# KiCad board master-circuit.kicad_pcb (continued)
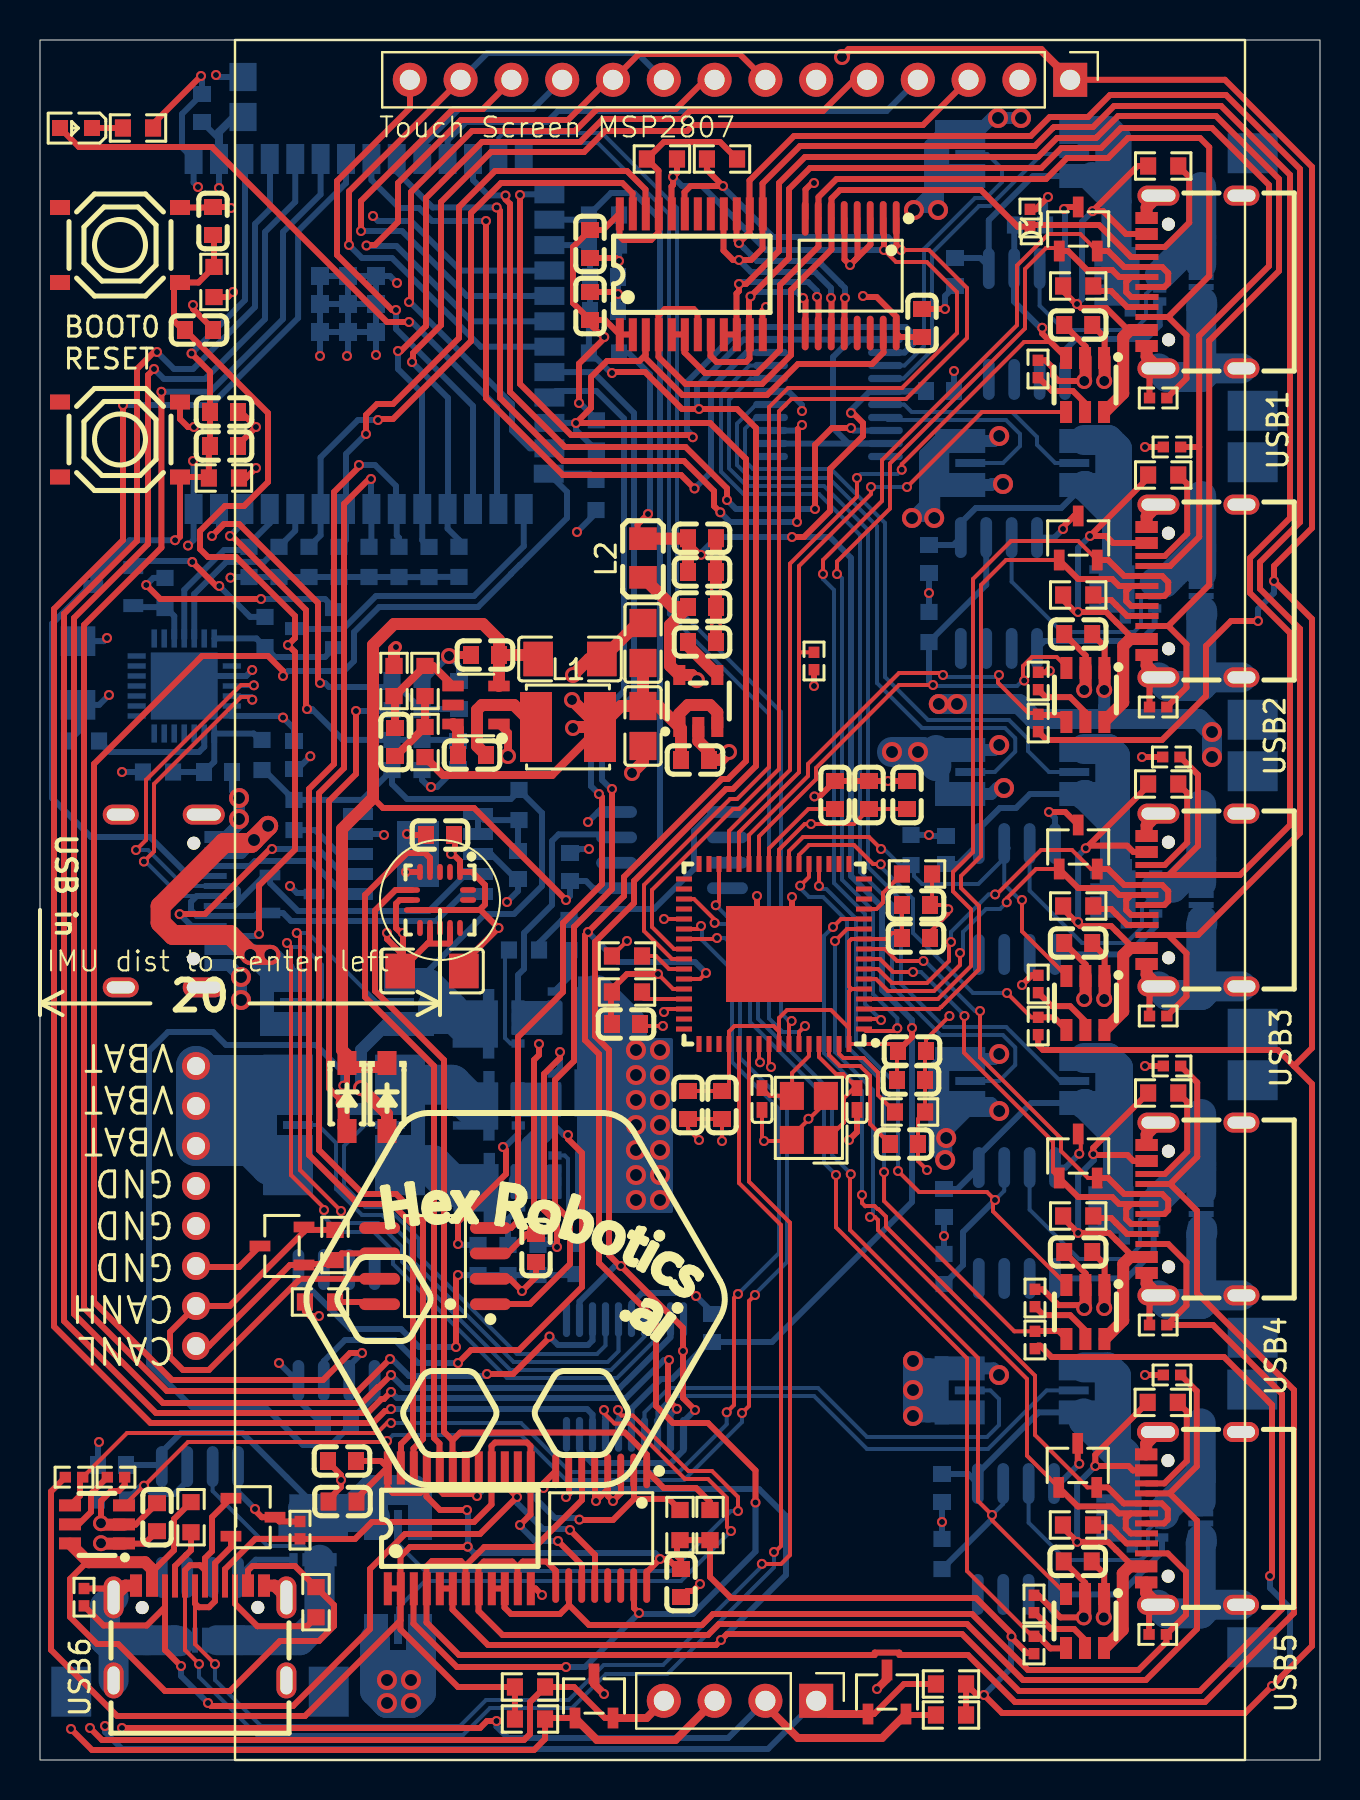
[diagram p0: board, top side]
## Nets (continued)
USBDN3_D-: D5.1 U24.6 USB3.A7 USB3.B7
USBDN4_D+: D9.2 U24.9 USB4.A6 USB4.B6
USBDN4_D-: D9.1 U24.8 USB4.A7 USB4.B7
USBDN5_D+: D10.2 U24.12 USB5.A6 USB5.B6
USBDN5_D-: D10.1 U24.11 USB5.A7 USB5.B7
USBDN6_D+: D11.2 U24.54 USB6.A6 USB6.B6
USBDN6_D-: D11.1 U24.53 USB6.A7 USB6.B7
VANY: C21.2 C22.2 C55.2 C56.2 D12.1 D14.1 U4.3 U46.1 U47.1
Net-(LED1-K): LED1.1 R23.1
Net-(Q8-G): Q8.4 U41.5
Net-(Q12-G): Q12.4 U43.5
Net-(Q23-G): Q23.4 U44.5
Net-(Q24-G): Q24.4 U45.5
Net-(Q25-G): Q25.4 U48.5
Net-(Q26-G): Q26.4 U49.5
Net-(U10-RSTb): R39.2 U10.9
Net-(U10-VBUS): C18.1 R40.2 R41.1 U10.8
Net-(U24-SUSP_IND/LOCAL_PWR/NON_REM0): R51.1 U24.45
Net-(U24-VDD18): C63.2 U24.25
Net-(U46-Gate): R77.1 R81.1 U46.5
Net-(U47-Gate): R90.1 R92.1 R93.1 R94.1 U47.5

Pads without a net: FPC1 21 22; FPC2 21 22; FPC3 21 22; FPC4 21 22; FPC5 21 22; FPC6 21 22; SW1 2 4; SW2 2 4; U4 5; U9 17 18; U10 1 2 10 11 12 13 14 15 16 17 18 19 20 21 22 23 27; U11 10 11; U13 17 18; U14 13 14; U15 13 14; U16 10 11; U17 5; U18 2 3 9 11 13 15 16; U24 14 15 16 17 18 19 31 32 33 34 36 47 48 49 50 51; U41 6 7 8; U42 10; U43 6 7 8; U44 6 7 8; U45 6 7 8; U46 6 7 8; U47 6 7 8; U48 6 7 8; U49 6 7 8; USB0 1 2 3 4

## Via types
v1: diameter 0.5, hole 0.3, Top to Bottom, 297 vias
v2: diameter 0.8, hole 0.5, Top to Bottom, 23 vias
v3: diameter 1, hole 0.6, Top to Bottom, 50 vias

## Routing (per net, layer and track width the routed paths; a pad name or vN(x,y) marks a point on that pad's centre or on a via; arc(x,y) is an arc through that point)
3V3: length 394
  Top w0.2: v1(31.2,42.05) U24.37 ; C60.2 C59.2 40.7,46.8 v1(38.55,46.8) 38.23,46.8 36.95,45.52 U24.24 ; U24.46 31.35,37.55 v1(31.2,37.4) ; v1(30.9,39.3) 31.65,38.55 U24.44
  Top w0.3: C31.2 20.75,46.2 20.75,45.5 v1(20.55,45.3) 20.65,45.3 21,44.95 U18.1 21.6,44.4 22.25,43.75 22.25,42.77 21.98,42.5 U18.14 ; U18.14 22.03,42.5 v1(22.93,41.6) 21.19,39.87 C32.2 ; U18.14 U18.8 ; R15.2 R14.2 20.9,3.65 18.03,6.53 18.03,8.58 ; U35.1 59.25,84.01 63.6,79.66 63.6,61.6 61.7,59.7 v1(61.7,58.95) 63.6,57.05 63.6,35.6 62.7,34.7 ; R42.1 9.4,73.15 v1(9.65,73.4) ; R91.1 0.55,13.42 0.55,5.51 3.86,2.2 13.25,2.2 18.03,6.97 18.03,8.58 ; 17.38,8.58 18.03,8.58 ; 18.03,8.58 18.03,10.18 18.5,10.65 21.37,10.65 v1(21.38,10.67) ; 17.38,14.62 15.83,13.07 C85.2 ; 17.38,14.62 17.05,14.95 C43.2 ; 17.38,14.62 17.38,13.62 17.65,13.35 19,13.35 19.33,13.68 19.33,14.62 19.33,13.18 20,12.5 v1(21.35,12.5) ; C84.2 28.25,72 28.97,71.28 29.62,71.28 ; C84.2 27.5,71.8 28.15,71.15 v1(28.21,71.15) 28.21,71.08 26.95,69.82 v1(26.95,67.85) ; C84.2 26.65,72.85 26.65,75.65 C42.2 28.15,76.5 28.97,77.32 28.97,76.2 29.17,76 30.55,76 30.93,76.38 30.93,79.47 R58.2 31.19,80.9 34,80.9 R53.2 ; v1(41.15,73.2) 41.2,73.15 41.83,73.15 42.82,72.16 42.82,71.33 43.01,71.15 C45.2 ; v1(60.9,56.95) 59.55,56.95 58.3,55.7 58.3,53.2 56.1,51 50.33,51 R80.1 ; v1(30.9,39.3) 29.35,39.3 28.55,38.5 28.55,38.45 R51.2 28.55,38.35 28.55,36.85 C68.2 ; R82.1 49.91,35.74 50.15,35.5 61.9,35.5 62.7,34.7 ; R84.1 49.67,5.35 49.35,5.35 48.57,6.13 v1(48.57,6.17) 48.57,6.33 46.8,8.1 34.55,8.1 33.5,9.15 R60.2 R64.2 31.85,10.84 31.85,10.2 32.05,10 C44.2 31.9,9.55 31.4,10.05 v1(31,10.05) 30.35,9.4 30.35,8.71 ; v1(10.8,64.6) 10.3,64.1 R37.2 ; v1(24.95,35.8) 24.95,35.25 24.7,35 24.7,26.4 C30.2 24.35,26.3 23.38,25.33 U17.3 ; R79.1 v1(38.7,53.7) ; 62.7,34.7 63.6,33.8 63.6,5.7 v1(61.6,3.7) 60.25,2.35 48.1,2.35 v1(47.2,3.25) 46.85,3.25 R9.2 R34.2 ; R83.1 49.9,20.72 50.01,20.72 50.58,20.15 59.2,20.15 61.6,17.75 61.6,9.3 v1(61.5,9.2)
  Top w0.4: U35.1 51.51,84.04 50.05,85.5 40.45,85.5 v2(40.1,85.15)
  Top w0.6: L2.1 31.63,57.65 C8.2 31.5,56.75 31.5,54.71 U3.5 32.59,54.25 v2(32.85,54)
  Bottom w0.3: v1(61.6,3.7) 62.5,4.6 62.5,7.6 61.5,8.6 v1(61.5,9.2) ; R29.2 27.82,67.03 27,67.85 v1(26.95,67.85) ; R27.2 19.46,59.15 R26.2 17.95,59.15 R17.2 R18.2 R24.2 R25.2 R32.2 R33.2 9.56,59.15 v1(9.52,59.12) ; v1(21.35,12.5) 21.4,12.45 21.4,10.68 v1(21.38,10.67) 21.7,10.35 30.75,10.35 31,10.1 v1(31,10.05) ; v1(47.2,3.25) 48.55,4.6 48.55,6.15 v1(48.57,6.17) ; v1(8.95,78.6) U1.2 8.95,81.05 C2.2 ; C16.2 12.7,51.57 v1(12.15,52.12) 12.07,52.2 U10.7 U10.6 ; R39.1 1.9,51.4 C17.2 2.96,52.76 v1(3.45,53.25) ; v1(60.9,56.95) 60.9,57.55 61.7,58.35 v1(61.7,58.95)
  Bottom w0.4: C3.2 9.7,82.15 8.95,81.4 U1.2
3V3A: length 119.2
  Top w0.2: 40.45,36.6 39.55,37.5 37.35,37.5 36.95,37.1 U24.57 36.95,36.42 36.68,36.7 34.72,36.7 34.45,36.42 U24.52 34.45,33.7 34.2,33.45 C66.2 C67.2 ; 40.45,36.6 U24.64 42.55,35.8 C71.2 42.85,35.4 C70.2 ; 40.45,36.6 40.45,38.42 40.57,38.55 ; 40.57,38.55 40.45,38.67 40.45,40.92 40.57,41.05 U24.10 42.3,41.05 42.6,41.35 42.85,41.35 C61.2 C62.2 ; 40.57,38.55 U24.5
  Top w0.3: L2.2 29.88,61.34 29.88,61.78 v1(30.4,62.3) ; v1(40.55,67.35) 40.65,67.35 41.15,66.85 41.15,66.2 39.5,64.55 39.5,62.45 38.2,61.15 v1(37.6,61.15) ; v1(43.6,36.6) 43.6,36.15 C71.2
  Top w0.4: v1(33.05,60.26) 32.94,60.26 32.4,60.8 C13.2
  Top w0.6: L2.2 32.38,61.07 C13.2 C12.2
  Bottom w0.3: C39.2 43.3,68.45 43.28,68.42 U11.5 41.48,68.42 40.55,67.5 v1(40.55,67.35) ; U16.5 29.57,17.58 31.05,19.05 31.6,19.05 33.45,20.9 C38.2 36.6,20.9 43.6,27.9 v1(43.6,36.6) 43.6,37 42.1,38.5 42.1,42.65 40.55,44.2 40.55,60.1 39.5,61.15 v1(37.6,61.15) 33.85,61.15 33.05,60.35 v1(33.05,60.26) ; v1(30.4,62.3) 30.5,62.4 30.5,69.28 29.43,70.35 R21.2
5V: length 257.5
  Top w0.3: C26.2 53.23,55.68 53.23,54.65 ; C40.2 5.23,10.82 4.2,10.82 ; C33.2 53.21,9.31 53.21,8.28 ; 53.23,39.2 53.23,40.23 C27.2 ; 53.23,23.75 53.23,24.78 C28.2 ; C15.2 53.23,71.13 53.23,70.1
  Top w0.4: R10.2 20.15,49.25 25.6,49.25 L1.2
  Top w0.6: 53.21,8.28 53.21,7.15 v2(53.19,7.13) ; U3.1 32.05,51.56 C20.2 ; U3.1 31.96,52.31 32.4,52.75 33.5,52.75 33.86,52.39 U3.3 ; U3.1 30.91,52.7 C24.2 ; 4.2,10.82 3.07,10.82 v2(3.05,10.84) ; 53.23,23.75 53.23,22.62 v2(53.21,22.6) ; 53.23,70.1 53.23,68.97 v2(53.21,68.95) ; 53.23,39.2 53.23,38.07 v2(53.21,38.05) ; v2(26.6,53) 27.95,51.65 L1.2 ; v2(26.65,51.6) 26.7,51.65 L1.2 ; C24.2 C23.2 ; C24.2 29.05,52.7 L1.2 ; 53.23,54.65 53.23,53.52 v2(53.21,53.5)
  In1.Cu w0.6: v2(53.21,38.05) 53.61,37.65 63,37.65 ; 63,48.25 63.05,48.3 63.05,65.05 60.1,68 54.16,68 v2(53.21,68.95) ; v2(3.05,10.84) 3.31,10.84 6.15,8 6.15,1.2 6.35,1 ; 53.2,1 53.19,1.01 v2(53.19,7.13) ; v2(53.21,22.6) 53.81,22 63,22
  In1.Cu w1: v3(58.6,51.4) v3(58.6,50.15) 58.65,50.2 61.05,50.2 63,48.25 63,2.35 61.65,1 6.35,1 ; v2(26.65,51.6) 26.6,51.65 v2(26.6,53) 26.6,52.7 44.84,52.7 v3(44.94,52.8) v3(45.85,52.8)
  Bottom w0.6: 53.2,52.05 53.2,52.65 53.21,52.66 v2(53.21,53.5)
  Bottom w1: v3(44.94,52.8) v3(45.85,52.8) 48.95,52.8 49.7,52.05 57.95,52.05 v3(58.6,51.4) v3(58.6,50.15)
/servo-usb-connector1/VBUSx: length 22
  Top w0.3: R85.2 55.41,64.11 v1(52.5,61.2) 53.3,61.2 53.65,60.85 USB2.B4A9 ; USB2.A4B9 54.66,56.05 53.83,56.88 53.83,56.88 53.3,57.4 v1(51.9,57.4) 51.76,57.4 51.16,58 R28.1
  Top w0.6: 53.23,51.95 54.16,52.88 54.16,55.7 54.51,56.05 USB2.A4B9
  Bottom w0.3: v1(52.5,61.2) 51.9,60.6 v1(51.9,57.4)
/servo-usb-connector1/VCCx: length 18.9
  Bottom w0.2: U43.3 48.58,58.92 51.1,56.4 54.7,56.4 55.05,56.75 55.05,58.07 55.21,58.22 Q12.3
  Bottom w1.5: FPC2.6 56.23,58.87 Q12.2 ; FPC2.1 58.06,59.3
/servo-usb-connector1/VCCx-probe: length 20.7
  Bottom w0.3: R2.1 51.06,62.6 46.79,62.6 46.04,61.85 U43.1 45.67,60.75 C52.2
  Bottom w1.5: 53.85,62.11 53.85,65.56 53.41,66 52.21,66 ; 53.85,62.11 53.85,58.45 ; 53.85,62.11 52.26,63.7 52.21,63.7
/servo-usb-connector2/VBUSx: length 22.2
  Top w0.3: R46.1 51.16,42.55 51.81,41.9 v1(51.9,41.9) 51.9,41.8 52.01,41.7 53.56,41.7 53.83,41.43 53.83,41.43 54.66,40.6 USB3.A4B9 ; R86.2 55.41,48.71 v1(52.29,45.59) 52.34,45.59 52.47,45.72 54.35,45.72 54.67,45.4 USB3.B4A9
  Top w0.6: USB3.A4B9 54.51,40.6 54.16,40.25 54.16,37.43 53.23,36.5
  Bottom w0.3: v1(51.9,41.9) 51.9,45.2 v1(52.29,45.59)
/servo-usb-connector2/VCCx: length 18
  Bottom w0.2: Q23.3 55.42,42.97 55.1,42.65 55.1,41.64 54.31,40.85 52.1,40.85 49.48,43.47 U44.3
  Bottom w1.5: 58.06,45.05 56.63,43.62 Q23.2 ; 58.06,45.05 FPC3.1 ; 58.06,45.05 58.06,43.85
/servo-usb-connector2/VCCx-probe: length 19.5
  Bottom w0.3: R3.1 49.5,48.3 48.8,47.6 47.99,47.6 46.94,46.55 U44.1 45.92,44.8 C53.2
  Bottom w1.5: 53.75,46.76 52.26,48.25 52.21,48.25 ; 53.75,46.76 53.75,50.21 53.41,50.55 52.21,50.55 ; 53.75,46.76 53.75,43.35
/servo-usb-connector3/VBUSx: length 21.8
  Top w0.3: USB4.B4A9 54.67,29.95 54.37,30.25 52.74,30.25 52.7,30.29 v1(52.66,30.29) 52.66,30.61 R87.2 ; R59.1 51.16,27.1 v1(51.9,26.35) 53.45,26.35 53.83,25.98 53.83,25.98 54.66,25.15 USB4.A4B9
  Top w0.6: 53.23,21.05 54.16,21.98 54.16,24.8 54.51,25.15 USB4.A4B9
  Bottom w0.3: v1(51.9,26.35) 51.9,29.2 52.7,30 52.7,30.29 52.7,30.29 v1(52.66,30.29)
/servo-usb-connector3/VCCx: length 18.1
  Bottom w0.2: U45.3 49.48,27.52 51.95,25.05 54.35,25.05 55,25.7 55,27.02 55.16,27.17 Q24.3
  Bottom w1.5: Q24.2 57.66,29.8 FPC4.6 ; 58.06,28.4 FPC4.1
/servo-usb-connector3/VCCx-probe: length 20.5
  Bottom w0.3: C54.2 45.87,28.55 U45.1 46.94,30.23 49.56,32.85 R4.1
  Bottom w1.5: 53.9,27.5 53.9,31.16 ; 53.9,31.16 52.26,32.8 52.21,32.8 ; 53.9,31.16 53.9,34.61 53.41,35.1 52.21,35.1
/servo-usb-connector4/VBUSx: length 21.6
  Top w0.3: USB5.B4A9 54.65,14.48 54.43,14.7 v1(52.76,14.7) 52.76,15.26 R88.2 ; USB5.A4B9 54.64,9.68 53.81,10.51 53.8,10.51 53.4,10.91 v1(51.86,10.91) 51.15,11.62 R65.1
  Top w0.6: USB5.A4B9 54.49,9.68 54.14,9.33 54.14,6.51 53.21,5.58
  Bottom w0.3: v1(52.76,14.7) 51.86,13.79 v1(51.86,10.91)
/servo-usb-connector4/VCCx: length 17.6
  Bottom w0.2: Q25.3 55.67,11.77 55.4,11.5 55.4,10.34 55.09,10.02 55.03,10.02 55.05,10 51.3,10 49.43,11.87 U48.3
  Bottom w1.5: 58.04,12.93 FPC5.1 ; 56.2,12.28 56.2,12.49 FPC5.6
/servo-usb-connector4/VCCx-probe: length 21.3
  Bottom w0.3: C57.2 46.41,14.3 U48.1 46.89,14.34 49.93,17.38 R5.1
  Bottom w1.5: 52.19,17.33 52.19,16.96 53.25,15.9 53.26,15.9 53.84,15.32 54.25,15.32 ; 54.25,12.1 54.25,15.32 ; 54.25,15.32 53.8,15.77 53.8,19.22 53.39,19.63 52.19,19.63
/servo-usb-connector5/VBUSx: length 36.7
  Top w0.3: USB6.B4A9 10.4,9.48 10.62,9.7 12.74,9.7 R89.2 14.7,7.74 14.7,6.7 13.95,5.95 12,5.95 9.5,3.45 6.25,3.45 3.9,5.8 2.85,5.8 1.5,7.15 1.5,9.05 2.34,9.89 2.43,9.89 ; USB6.A4B9 5.6,9.39 6.7,10.49 6.7,12.04 R71.1
  Top w0.6: 1.5,10.82 2.43,9.89 5.25,9.89 5.6,9.54 USB6.A4B9
/servo-usb-connector5/VCCx: length 16.2
  Bottom w0.2: Q26.3 13.32,10.54 13.17,10.7 11.38,10.7 8.63,13.45 U49.3
  Bottom w1.5: Q26.2 13.97,6.97 12.99,5.99 FPC6.1 8.85,5.99
/servo-usb-connector5/VCCx-probe: length 23
  Bottom w0.3: Q26.5 13.65,12.82 10.12,16.35 7.04,16.35 6.09,15.4 U49.1 6.01,14.75 C58.2
  Bottom w1.5: 16.75,12.15 13.55,12.15 13.15,12.55 15.65,12.55 16.6,13.5 18.7,13.5
/servo-usb-connector/VBUSx: length 22.5
  Top w0.3: USB1.B4A9 54.3,76.3 53.16,77.44 v1(52.63,77.44) 54.88,79.7 R76.2 ; R13.1 51.16,73.44 51.8,72.8 v1(51.85,72.8) 52.05,72.6 53.31,72.6 54.41,71.5 USB1.A4B9
  Top w0.6: USB1.A4B9 54.51,71.5 54.16,71.15 54.16,68.33 53.23,67.4
  Bottom w0.3: v1(52.63,77.44) 52.1,76.92 52.1,73.05 v1(51.85,72.8)
/servo-usb-connector/VCCx: length 16.7
  Bottom w0.2: Q8.3 55.57,73.57 55.3,73.3 55.3,72.1 54.7,71.5 51.2,71.5 49.98,72.72 U41.3
  Bottom w1.5: FPC1.6 57.91,76.15 Q8.2 ; FPC1.1 58.06,74.75
/servo-usb-connector/VCCx-probe: length 20.9
  Bottom w0.3: C51.2 47.02,75.1 47.44,74.68 U41.1 47.44,76.99 49.65,79.2 R1.1
  Bottom w1.5: 54.15,73.85 54.15,74.27 53.83,74.59 53.83,77.94 ; 53.83,77.94 52.61,79.15 ; 53.83,77.94 53.83,81.03 53.41,81.45 52.21,81.45
/VBATTERY_PINS: length 17.1
  Bottom w2: U19.7 10.35,32.7 10.75,32.3 ; R8.1 11.51,29.74 10.55,30.7 U19.6 U19.8 8.25,34.25 11.92,34.25 R8.1
/VDD18PLL: length 6.9
  Top w0.2: C65.2 41.5,31.8 41.5,34.21 41.01,34.7 40,34.7 39.45,35.25 U24.62
GND: length 351.2
  Top w0.2: v1(32.95,31) 32.4,31.55 C67.1 C66.1 v1(34.1,30.95) ; v1(29.35,40.95) 29.35,40.95 R52.1 ; U24.56 36.45,34.75 v1(36.55,34.65) ; D9.3 52.04,31.17 52.04,30.39 v1(51.96,30.31) ; R30.1 44.6,42.85 C62.1 45.2,42.75 v1(45.41,42.54) 45.41,42.31 44.5,41.4 44.45,41.4 44.5,41.35 C61.1 ; X2.2 39.29,32.89 38.46,32.06 v1(38.42,32.06) 38.4,32.04 38.4,32 37.64,31.24 37.64,31.05 X2.4 37.59,30.97 37.57,30.95 v1(36.2,30.95) 36.1,31.05 C69.1 ; v1(31.15,36.7) 31.14,36.7 30.1,36.7 C68.1 ; v1(45.47,37.2) 44.3,36.03 C71.1 44.25,35.4 C70.1 44.25,34 R50.2 43.9,32.05 C65.1 43.9,29.95 v1(44.35,29.5) ; U24.55 35.95,34.94 v1(36,34.89)
  Top w0.3: 24.53,8.58 24.77,8.58 v1(25.1,8.25) ; v1(7.7,66.65) 7.4,66.65 7,67.05 SW2.3 ; R96.1 55.48,69.13 USB1.1 ; 4.2,11.77 4.78,11.77 C40.1 ; R108.1 11.97,11.92 D11.3 11.09,12.14 10.75,12.48 v1(10.75,12.55) ; v1(38.7,78.85) 38.6,78.85 38.28,78.53 38.28,77.07 ; C32.1 18.15,39.59 v1(18.15,41.35) 18.05,41.35 17.8,41.6 17.8,42.82 17.98,43 U18.7 ; C32.1 18.01,40.39 17.35,41.05 v1(17.35,41.35) ; C32.1 19.38,40.82 ; 41.53,77.07 41.53,75.78 v1(40.5,74.75) ; 19.38,40.82 20.42,40.82 20.5,40.9 U18.12 ; 19.38,40.82 19.5,40.94 U18.10 ; R103.1 49.78,77.53 v1(50.4,78.15) ; 27.75,14.44 27.75,13 v1(27.8,12.95) 28.4,13.55 28.4,14.44 28.4,13.2 v1(28.65,12.95) 29.05,13.35 29.05,14.44 ; R66.1 50.14,23.53 50.93,22.74 52.06,22.74 v2(52.21,22.6) ; v1(25.18,13.6) 25.18,13.84 25.79,14.45 25.8,14.44 ; USB3.1 55.48,38.23 R98.1 ; U17.2 23.49,24.06 v1(24.1,23.45) 24.8,24.15 C30.1 ; v1(35.85,43.2) 35.85,42.5 36.7,41.65 U24.65 37.6,41.2 v1(37.6,43.15) ; C33.1 52.26,8.86 52.26,8.28 ; SW1.3 8.62,77.62 C25.1 9.5,77.65 v1(9.55,77.6) ; U19.3 7.85,24.65 9.95,24.65 11,25.7 D7.3 ; C42.1 28.8,75.1 v1(28.95,74.95) ; R100.1 55.45,7.31 USB5.1 ; v1(33,8.8) 32.65,8.45 32.35,8.45 C44.1 ; v1(28.9,73.3) 28.8,73.4 C84.1 ; v1(51.2,77.55) 51.3,77.65 D1.3 ; C60.1 v1(42.4,48.95) C59.1 C63.1 38.98,48.18 v1(38.72,48.18) ; R104.1 v1(55.25,65.65) ; C26.1 52.28,55.23 52.28,54.65 ; U18.5 v1(18.3,44.4) ; C15.1 52.28,70.68 52.28,70.1 ; R107.1 v1(55.25,19.25) ; R106.1 v1(55.25,34.7) ; v1(40.45,31) 40.85,31.4 C64.2 ; v1(7.65,72.75) 7.65,72.55 8.65,71.55 C4.1 ; C31.1 18.4,46.25 v1(18.35,46.3) ; R61.1 49.58,39.23 v1(49.1,38.75) ; v1(51.15,61.55) 51.15,61.65 51.7,62.2 D2.3 ; C27.1 52.28,39.78 52.28,39.2 ; v1(40.5,74.75) 40.88,75.12 40.88,77.07 ; v1(40.5,74.75) 40.22,75.03 40.22,77.07 ; v1(50.45,47.4) 51.26,47.4 D5.3 ; v2(52.19,7.13) 51.02,7.13 49.92,8.23 R67.1 ; 52.28,23.75 52.28,24.33 C28.1 ; USB6.1 3.23,8.57 R101.1 ; D10.3 51.89,14.89 v1(51.96,14.81) ; R55.1 50.42,54.38 v1(50.49,54.46) ; 36.12,71.28 36.12,72.47 v1(36.3,72.65) ; v1(8.05,84.2) 5.65,81.8 R23.2 ; R97.1 55.48,53.68 USB2.1 ; R70.1 4.23,13.75 3.93,13.45 3.55,13.45 3.05,12.95 3.05,11.84 v2(3.05,11.84) ; C5.1 10.05,67.4 v1(10.8,66.65) 9.9,65.75 C1.1 ; R105.1 v1(55.1,50.15) ; R35.1 50.27,69.98 50.65,69.6 50.65,69.23 50.93,68.95 52.21,68.95 v2(52.21,68.95) ; USB4.1 55.48,22.78 R99.1 ; C85.1 14.42,13.03 15.05,13.65 v1(15.05,14) 15.05,14.25 14.4,14.9 C43.1 ; C45.1 v1(45.25,72.55) ; R31.1 13.25,22.45 13.49,22.2 v1(13.95,22.2)
  Top w0.4: D6.3 42.35,4.05 v1(41.85,3.55) ; U4.1 23.4,51.35 v2(23.4,50.2) ; C22.1 20.5,55.25 v2(20.45,55.2) ; D4.3 27.7,3.8 v1(28.2,3.3)
  Top w0.6: USB5.A1B12 55.31,8.35 USB5.1 ; USB1.A1B12 55.33,70.17 USB1.1 ; USB6.1 4.27,8.72 USB6.A1B12 ; USB3.2 55.33,46.73 USB3.B1A12 ; 4.2,11.77 3.12,11.77 v2(3.05,11.84) ; v2(52.21,22.6) 52.28,22.67 52.28,23.75 ; v1(17.8,55.65) 17.7,55.55 R62.1 ; USB3.1 55.33,39.27 USB3.A1B12 ; USB6.2 11.73,8.72 USB6.B1A12 ; C13.1 v1(33.8,60.2) C12.1 v1(33.8,58.55) C8.1 v1(33.8,56.7) C9.1 ; 52.26,8.28 52.26,7.2 v2(52.19,7.13) ; 52.28,39.2 52.28,38.12 v2(52.21,38.05) ; USB4.2 55.33,31.28 USB4.B1A12 ; USB4.1 55.33,23.82 USB4.A1B12 ; v2(52.21,68.95) 52.28,69.02 52.28,70.1 ; USB5.2 55.31,15.81 USB5.B1A12 ; USB2.2 55.33,62.18 USB2.B1A12 ; v2(29.6,49.35) 30.15,49.9 C24.1 ; v2(52.21,53.5) 52.28,53.57 52.28,54.65 ; USB2.A1B12 55.33,54.72 USB2.1 ; USB1.B1A12 55.33,77.63 USB1.2 ; U3.2 32.91,50.95 33.45,50.41 C20.1 34.05,50 v2(34.45,50.4) ; C23.1 29.89,56.85 C21.1 27.45,55.05 v2(26.65,54.25)
  Bottom w0.3: v1(10.61,54.5) 10.31,54.2 U10.3 7.71,54.2 U10.29 ; R95.1 v1(45.2,26.2) C54.1 ; v1(51.2,77.55) 51.25,77.5 51.25,74.57 U41.4 ; v1(51.96,30.31) 51.27,29.62 U45.4 ; R78.1 44.45,46.25 v1(44.45,46.25) 44.5,46.2 C53.1 ; v1(11.95,19.85) 12.82,18.98 U47.4 12.92,17.98 C56.1 ; R74.1 v1(44.45,58.35) C52.1 ; v1(17.2,46.25) 17.15,46.3 U42.9 ; C16.1 12.88,49.55 v1(13.52,50.19) ; U1.41 U1.41 U1.41 ; U1.41 v1(14,70.2) ; U1.41 U1.41 ; C38.1 33.6,22.4 v1(32.8,23.2) 32.65,23.35 30.1,23.35 29.57,22.83 U16.16 ; U1.41 17.5,74.2 v1(17.85,73.85) ; U1.41 U1.41 ; C18.2 9.6,48.45 v3(9.95,48.1) ; D8.3 13.65,43.35 12.85,43.35 v1(12.5,43.7) ; R73.1 50.25,78 v1(50.4,78.15) ; C10.1 20.75,49.55 19.85,48.65 v1(19.55,48.65) 19.45,48.65 19.1,49 R47.1 ; R102.1 v1(45.1,11.9) C57.1 ; R41.2 v1(4.1,49.4) ; R109.1 3.05,12.8 v2(3.05,11.84) ; v1(26.85,61.4) 27.8,62.35 R11.1 ; v1(10.75,12.55) 9.9,13.4 U49.4 ; U1.41 U1.41 15.4,70.25 v1(15.35,70.2) ; C3.1 8.9,84.15 v1(8.8,84.25) ; v1(38.1,67.45) 38.1,67.75 37.43,68.42 U11.16 ; C58.1 2.9,15.85 v1(2.95,15.9) ; v1(27.45,45.55) 26.95,45.55 26.75,45.35 C55.1 ; v1(7.4,60.72) 7.68,61 U1.40 7.68,64.92 v1(7.65,64.95) ; U44.4 50.75,47.1 v1(50.45,47.4) ; v1(51.15,61.55) 50.72,61.12 U43.4 ; U46.4 27.9,47.4 v1(27.4,46.9) ; v1(7.9,78.65) 7.68,78.87 U1.1 7.1,80.63 7.1,82.3 C2.1 8.1,84.15 v1(8.05,84.2) ; U1.41 U1.41 ; 50.7,13.82 50.97,13.82 v1(51.96,14.81) ; v1(45.25,72.55) 45.25,73.2 C51.1 ; R12.1 R22.1 28.95,74.95 v1(28.95,74.95) 28.9,74.9 C35.1 v1(28.9,73.3) C34.1 ; C17.1 3.19,55.94 v1(3.35,56.1) ; U1.41 v1(16.8,70.25) ; C11.1 20.95,54.7 v2(20.45,55.2) 19.25,54 R38.1 ; v1(45.7,69.45) C39.1 ; U42.3 22.55,45.3 23.8,44.05 C29.1 23.9,43.45 v1(23.35,42.9)
  Bottom w0.6: USB0.B1A12 9.3,46.15 9.95,46.8 v3(9.95,47.05) v3(9.95,48.1) ; v3(10.05,38) v3(10.05,39.15) 9.45,39.75 USB0.A1B12
  Bottom w1.5: USB4.1 56.35,22.8 FPC4.20 ; FPC4.20 FPC4.13 58.11,26.35 58.11,26.55 ; FPC4.20 58.49,23.23 USB4.3 ; FPC5.20 56.33,7.33 USB5.1 ; FPC5.20 58.47,7.76 USB5.3 ; FPC5.20 FPC5.13 58.09,10.88 58.09,11.08 ; 58.11,72.9 58.11,72.7 FPC1.13 FPC1.20 ; FPC6.20 3.68,5.56 USB6.3 ; FPC6.20 3.25,7.7 USB6.1 ; FPC6.20 FPC6.13 6.8,5.94 7,5.94 ; FPC1.20 56.35,69.15 USB1.1 ; FPC1.20 58.49,69.58 USB1.3 ; FPC6.16 5.45,5.99 ; USB3.1 56.35,38.25 FPC3.20 ; FPC3.20 FPC3.13 58.11,41.8 58.11,42 ; FPC3.20 58.49,38.68 USB3.3 ; 58.11,57.45 58.11,57.25 FPC2.13 FPC2.20 ; FPC2.20 58.49,54.13 USB2.3 ; FPC2.20 56.35,53.7 USB2.1
VBATTERY: length 35.4
  Top w0.3: v1(15.8,52.45) 15.8,49.3 14.45,47.95 14.45,33.58 v2(15.18,32.85)
  Top w0.6: v2(15.18,32.85) 15.18,31.62 D12.2
  Bottom w0.3: R48.2 17.55,52.45 v1(15.8,52.45)
  Bottom w0.6: R8.2 16.78,32.55 15.48,32.55 v2(15.18,32.85)
  Bottom w2: 21.7,28.65 20.7,28.65 19.61,29.74 R8.2 ; 21.6,32.75 20.59,33.76 R8.2
VBUS: length 46.3
  Top w0.6: v2(16.05,33.6) 17.35,32.3 D14.2
  Bottom w0.3: R40.1 11.21,49.5 R72.1 16.1,48 17.6,49.5 R45.2 17.6,48.8 18.35,48.05 23.55,48.05 23.95,48.45 R68.1 25.1,47.35 25.1,43.7 23.7,42.3 22.25,42.3 19.35,39.4 R7.2
  Bottom w0.6: v2(16.05,33.6) 16.05,35.5 17.35,36.8 R7.2
  Bottom w1: R7.2 19.6,39 20.85,37.75 19.45,37.75 19.4,37.8 19.4,37 19.2,36.8 R7.2 20.6,36.8 21.15,36.25
VBUS_CURRENT: length 99
  Top w0.3: v1(17.55,19.25) 16.95,18.65 16.9,18.65 16.1,17.85 6.15,17.85 1.7,22.3 1.7,57.1 5.4,60.8 5.4,69.25 v1(5.7,69.55)
  Bottom w0.3: v1(5.7,69.55) 6.2,69.05 8.25,69.05 11.25,72.05 11.25,76.4 12.76,77.91 U1.5 ; U16.19 31.53,21.14 28.99,18.6 18.2,18.6 v1(17.55,19.25)
VBUS_PINS: length 23.8
  Top w1: v3(11.52,40.26) v3(10.52,40.26) 9.52,41.25 6.65,41.25 6.03,41.87 6.03,42.69 9.19,45.85 10.55,45.85 v3(10.7,46) v3(11.41,46.71)
  Bottom w0.6: v3(11.41,46.71) v3(10.7,46) 10.05,45.35 USB0.B4A9 ; v3(10.52,40.26) 10.22,40.55 USB0.A4B9
  Bottom w1: 10.58,40.32 11.9,39 R7.1 12.25,39.52 v3(11.52,40.26) v3(10.52,40.26)
VBUS_VOLTAGE: length 20.5
  Top w0.3: v1(13.35,52.55) 13.3,52.6 13.3,57.5 9.6,61.2 v1(9.5,61.2)
  Bottom w0.3: C10.2 20.85,51 R47.2 R45.1 15.15,51 13.6,52.55 v1(13.35,52.55) 13.45,52.45 13.65,52.45 ; U1.38 10.22,61.92 v1(9.5,61.2)
VCC: length 88.7
  Bottom w0.6: v3(45.31,31.1) 45.31,31.4 46.36,32.45 v3(47.96,32.45) 47.56,32.85 R4.2 45.36,32.2 45.31,32.2 v3(45.31,31.1) ; v3(45.31,31.1) 45.31,30.05 v3(45.26,30) 44.71,30.55 44.71,34.6 45.16,35.05 R4.2 47.71,35.05 v3(47.96,35.3) ; v3(49.05,82.1) v3(47.9,82.1) 47.6,82.1 46.9,81.4 R1.2 45.16,81.4 44.5,80.74 44.5,78.3 v3(43.7,77.5) 43.85,77.65 44.75,77.65 v3(44.9,77.5) 44.9,78.7 45.4,79.2 R1.2 ; R2.2 47.56,63.75 47.61,63.8 v3(48.15,63.8) ; v3(47.95,19.25) 47.77,19.43 47.77,19.5 47.69,19.58 R5.2 ; R2.2 47.71,65.95 v3(47.96,66.2) ; R2.2 45.66,65.95 44.71,65 v3(44.71,62.1) 44.61,62.2 43.7,62.2 v3(43.6,62.1) 44.25,62.75 44.25,65.3 44.9,65.95 R2.2 ; R3.2 47.71,50.5 v3(47.96,50.75) ; v3(48.2,48.6) 47.86,48.6 47.56,48.3 R3.2
  Bottom w1: 44.4,17.38 43.83,17.38 v3(43.65,17.2) v3(43.65,18.5) v3(43.65,19.95) 43.7,19.95 44.07,19.58 R5.2 ; 44.4,17.38 R5.2 ; 44.4,17.38 44.4,19.6
  Bottom w1.5: 44.81,50.5 44.81,49.7 44.11,50.4 v3(43.9,50.4) v3(42.6,50.4) ; v3(18.55,2.85) 19.05,3.35 19.05,6.05 ; v3(18.55,2.85) v3(17.35,2.85) ; v3(18.55,2.85) v3(18.55,4) ; v3(17.35,2.85) 16.75,3.45 16.75,6.05 ; v3(17.35,2.85) 17.3,2.9 17.3,4.05 17.9,4.65
  Bottom w2: 29.35,35.9 29.35,36.7 27.8,38.25 ; 27.9,28.4 27.85,28.45 27.85,38
  vias: v3(17.35,4) v3(29.8,35.5) v3(29.8,34.25) v3(29.8,33) v3(29.8,31.75) v3(29.8,30.5) v3(29.8,29.25) v3(29.8,28) v3(31,35.5) v3(31,34.25) v3(31,33) v3(31,31.75) v3(31,30.5) v3(31,29.25) v3(31,28)
+Probe-1: length 15
  Bottom w0.2: U11.3 43.22,69.72 44.2,70.7 44.2,75.55 46.75,78.1 47.3,78.1 48.1,78.9 48.1,79.56 47.36,80.3 R1.4
+Probe-2: length 10.5
  Bottom w0.2: R2.4 48.15,64.85 49,65.7 49,66.3 48.3,67 42.4,67 U11.7
+Probe-3: length 31.6
  Bottom w0.2: 36.53,67.78 35.81,67.78 34.85,66.82 34.85,64.75 35.5,64.1 39.43,64.1 41.85,61.68 41.85,53.85 44.1,51.6 48.25,51.6 48.76,51.09 48.76,50.42 47.74,49.4 R3.4
+Probe-4: length 49.3
  Bottom w0.2: U11.18 35.47,69.72 34.05,68.3 34.05,64.42 35.17,63.3 38.95,63.3 41,61.25 41,44.4 42.6,42.8 42.6,38.7 42.65,38.65 42.65,38.63 45.03,36.25 48.14,36.25 48.76,35.63 48.76,34.75 47.96,33.95 R4.4
+Probe-5: length 23.5
  Bottom w0.2: R5.4 47.52,18.48 47.95,18.05 47.95,16.75 47.35,16.15 41.35,16.15 38.9,18.6 31.45,18.6 30.22,17.38 U16.4
+Probe-6: length 30.3
  Top w0.2: v1(34.55,11.45) 34.35,11.65 34.35,13.1 33.4,14.05 32.25,14.05 29.48,16.82 28.73,16.82 28.2,17.35 v1(28.2,17.5)
  Bottom w0.2: v1(34.55,11.45) 32.05,8.95 19.25,8.95 17.9,7.6 R6.4 ; U16.7 28.28,17.08 28.2,17.15 v1(28.2,17.5)
+Probe-7: length 42
  Top w0.2: v1(15.05,27.45) 13,29.5 13,41.19 v1(12.84,41.35)
  Bottom w0.2: v1(12.84,41.35) 13.4,41.35 16.85,37.9 R7.4 ; U16.17 30.22,21.17 28.55,19.5 23.52,19.5 18.1,24.92 18.1,25.65 16.9,26.85 15.35,26.85 15.05,27.15 v1(15.05,27.45)
+Probe-8: length 23.3
  Bottom w0.2: U16.14 28.28,20.72 27.85,20.3 23.85,20.3 18.94,25.21 18.94,26.06 17.35,27.65 16.27,27.65 15.2,28.72 15.2,30.7 16.25,31.75 R8.4
-Probe-1: length 16.9
  Bottom w0.2: 42.27,69.08 43.18,69.08 44.6,70.5 44.6,75.35 46.95,77.7 47.5,77.7 50.1,80.3 R1.3
-Probe-2: length 10.9
  Bottom w0.2: 42.27,67.78 43.21,67.78 43.58,67.4 48.6,67.4 49.85,66.15 49.85,65.76 50.76,64.85 R2.3
-Probe-3: length 30.9
  Bottom w0.2: R3.3 50.45,49.4 49.4,50.45 49.4,51.05 48.45,52 44.4,52 42.25,54.15 42.25,61.85 39.55,64.55 35.65,64.55 35.25,64.95 35.25,66.57 35.81,67.12 U11.14
-Probe-4: length 48.2
  Bottom w0.2: 36.53,69.08 35.53,69.08 34.45,68 34.45,64.58 35.33,63.7 39.2,63.7 41.4,61.5 41.4,44.65 43.05,43 43.05,38.8 45.2,36.65 48.31,36.65 51.01,33.95 R4.3
-Probe-5: length 24.6
  Bottom w0.2: R5.3 50.33,18.48 47.4,15.55 41.35,15.55 38.7,18.2 31.65,18.2 30.88,17.42 U16.3
-Probe-6: length 29.5
  Top w0.2: v1(34.9,12.45) 34.9,13.15 33.6,14.45 32.42,14.45 29.64,17.22 29.08,17.22 28.9,17.4 v1(28.9,17.5)
  Bottom w0.2: U16.6 28.93,17.38 28.9,17.4 v1(28.9,17.5) ; v1(34.9,12.45) 34.55,12.45 31.55,9.45 19.25,9.45 17.9,10.8 R6.3
-Probe-7: length 41.9
  Top w0.2: v1(14.2,27.5) 14.2,27.6 12.55,29.25 12.55,40.65 v1(12.35,40.85)
  Bottom w0.2: v1(14.2,27.5) 14.2,27.15 14.95,26.4 16.7,26.4 17.65,25.45 17.65,24.8 23.35,19.1 28.85,19.1 30.88,21.12 U16.18 ; R7.3 13.85,37.9 14.1,38.15 14.1,39.75 13.2,40.65 12.55,40.65 v1(12.35,40.85)
-Probe-8: length 24.5
  Bottom w0.2: R8.3 13.9,31.75 14.8,30.85 14.8,28.55 16.1,27.25 17.1,27.25 18.54,25.81 18.54,25.04 23.68,19.9 28.38,19.9 28.93,20.44 U16.15
/Buck-Bootstrap-Capacitor: length 1.7
  Top w0.6: C7.1 20.9,51.55 U4.6
/Buck-Output-SW: length 5.9
  Top w0.6: C7.2 21.85,50.7 21.85,52.5 22.1,52.75 U4.2 23.7,52.75 L1.1
/Buck-Probe-Point: length 3.6
  Top w0.4: R56.2 R10.1 17.8,50.2 C6.2
/CAN-RS-SLOPE_CONTROL: length 2.3
  Top w0.3: R31.2 16.87,22.9 U17.8
/CFG_SEL1: length 2.4
  Top w0.2: U24.42 31.45,39.55 30.8,40.2 R52.2
/CFG_SEL2: length 2.9
  Top w0.2: R30.2 43.1,44.3 42.15,43.35 42.15,42.88 41.82,42.55 U24.13
/DTR-GATE: length 7.9
  Top w0.3: v1(8.96,58.7) 8.81,58.7 v1(7.61,59.9)
  Bottom w0.3: R43.1 10.51,57.15 v1(8.96,58.7) ; 4.66,59.65 4.96,59.95 7.56,59.95 v1(7.61,59.9)
/Gate1-vbattery: length 8.4
  Top w0.3: v1(23.15,30.65) 23.3,30.5 23.3,29.3 20.9,26.9 v1(20.9,25.8)
  Bottom w0.3: Q18.4 23.91,31.31 23.25,30.65 v1(23.15,30.65) ; v1(20.9,25.8) 20.95,25.75 R90.2
/Gate1-vbus: length 5.2
  Bottom w0.2: Q14.4 23.53,35.82 23.25,36.1 23.25,40.3 R81.2
/Gate2-vbattery: length 12.6